# Altium PCB STM32MP25XXAK_LPDDR4.PcbDoc (part 3 of 6)
Units mm, origin at the board's own origin, x right, y up, seen from the top; angles counter-clockwise.
Board outline 120 x 79.6 mm, 4 copper layers (Top Layer, Signal Layer 1, Signal Layer 2, Bottom Layer), stack 1.614 mm thick; 190 components, 143 nets, 1208 pads, 757 vias.
Unrouted connection lines stored in the file: 3.
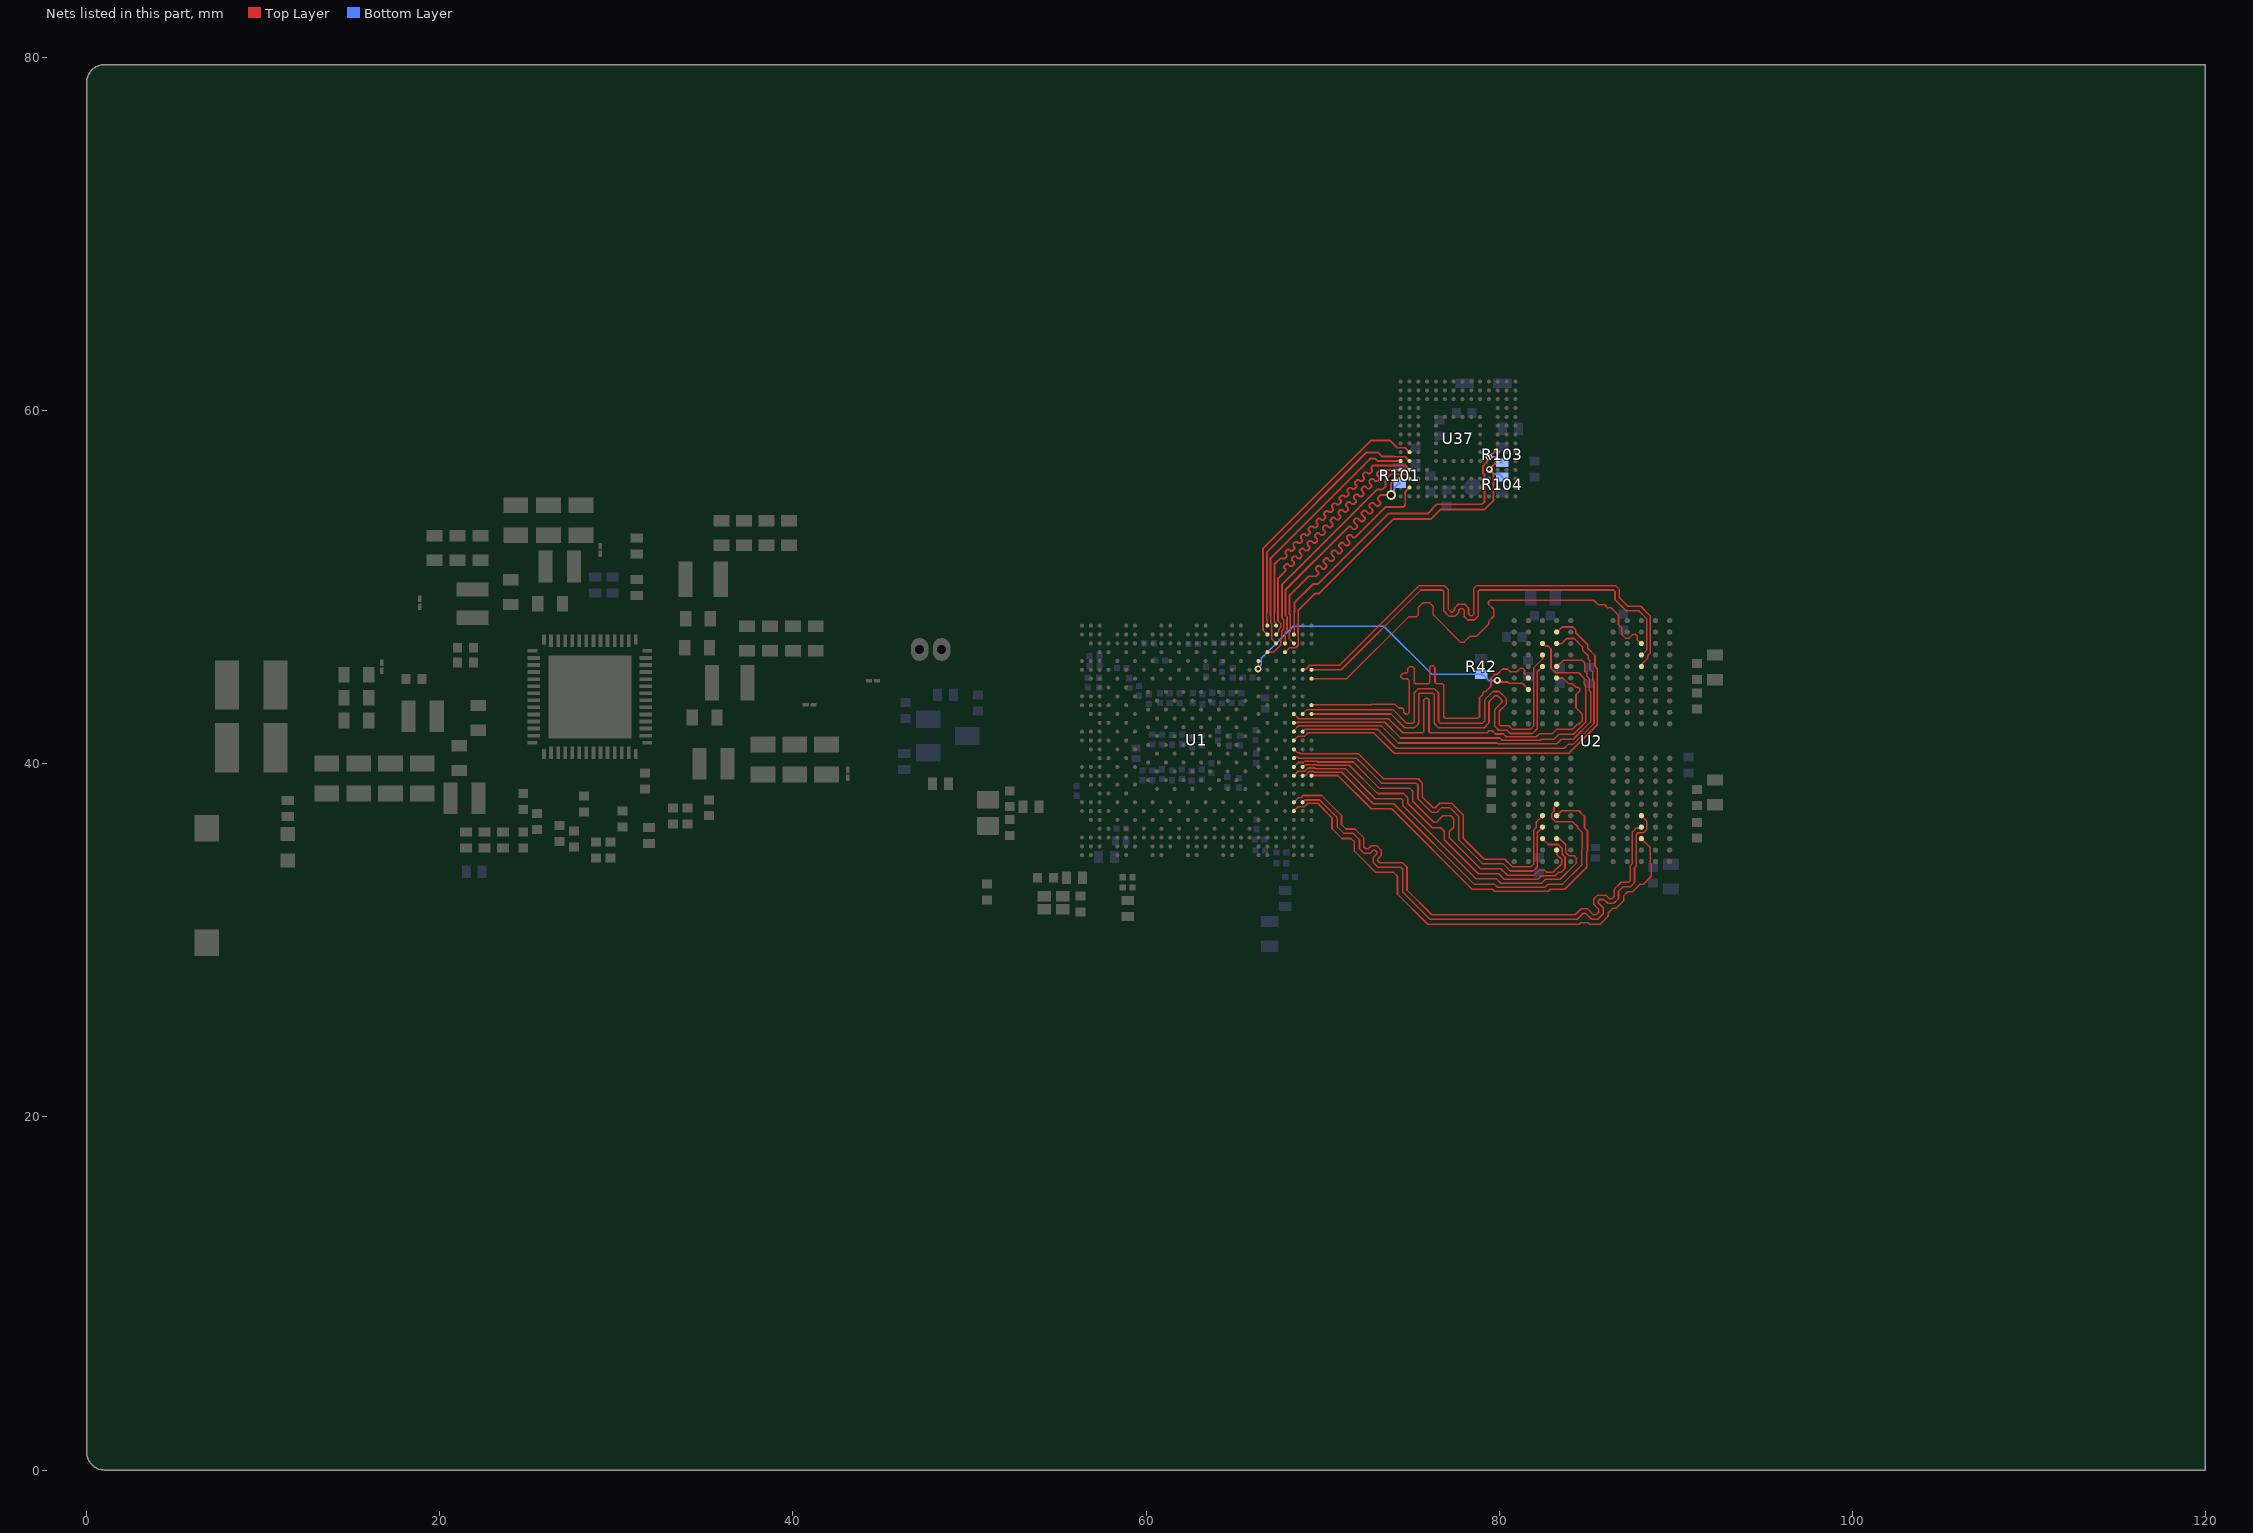
[diagram p5: the nets of this part, all layers, seen from the top]

## Via types
v1: diameter 0.55, hole 0.35, Top Layer to Bottom Layer, 277 vias
v2: diameter 0.4, hole 0.2, Top Layer to Bottom Layer, tented both sides, 229 vias
v3: diameter 0.5, hole 0.2, Top Layer to Bottom Layer, 146 vias
v4: diameter 0.4, hole 0.2, Top Layer to Bottom Layer, 105 vias

## Nets (pads, with @x,y where several pads share a name; then routed paths per layer and width w, separated by ;. In a path a pad name is that pad's centre, name@x,y a point inside that pad or via, vN(x,y) a via of type N, cw(c..) or ccw(c..) an arc to the next point about the centre after c; other vN are vias at no path point) (continued)
DDR_DQ11_B: U1.K27 U2.U11 | length 23.1
  Top Layer w0.09: U1.K27@69.377,43.329 69.388,43.34 72.76,43.34 72.785,43.365 74.106,43.365 74.305,43.166 74.514,43.166 74.604,43.076 74.604,42.916 74.709,42.81 74.817,42.81 74.903,42.896 74.903,44.715 74.801,44.817 74.539,44.817 74.441,44.915 74.441,45.021 74.554,45.134 74.755,45.134 74.835,45.214 74.835,45.415 74.929,45.509 75.106,45.509 75.194,45.421 75.194,44.6 75.259,44.535 75.994,44.535 76.065,44.606 76.065,45.473 76.145,45.553 76.244,45.553 76.369,45.428 76.369,44.616 76.438,44.546 76.788,44.546 76.86,44.474 76.86,42.666 76.937,42.59 78.805,42.59 78.89,42.675 78.89,43.739 79.072,43.921 79.072,44.007 79.16,44.095 79.246,44.095 79.543,44.392 79.543,44.861 79.756,45.074 ; 79.757,45.074 79.896,45.074 80.196,45.374 80.482,45.374 80.636,45.22 81.018,45.22 81.212,45.414 81.35,45.414 81.44,45.324 81.44,45.085 U2.U11@81.66,44.865
DDR_DQ12_A: U1.V26 U2.F9 | length 24
  Top Layer w0.09: U1.V26@68.875,39.325 68.889,39.339 69.035,39.339 69.271,39.575 69.479,39.575 69.525,39.529 71.083,39.529 72.872,37.74 74.033,37.74 78.583,33.19 78.607,33.19 79.737,33.19 79.918,33.01 82.602,33.01 82.782,33.19 83.598,33.19 84.671,34.263 84.671,35.154 84.72,35.203 84.72,36.094 84.451,36.363 84.451,36.43 84.168,36.713 83.209,36.713 82.975,36.947 82.975,37.183 83.112,37.32 83.112,37.567 U2.F9@83.26,37.715
DDR_DQ12_B: U1.L25 U2.U9 | length 24.7
  Top Layer w0.09: U1.L25@68.375,42.825 68.381,42.825 68.647,42.559 73.739,42.559 74.537,41.76 75.661,41.76 75.74,41.839 75.74,43.628 75.817,43.705 75.956,43.705 76.03,43.631 76.03,41.834 76.105,41.76 79.329,41.76 79.441,41.872 79.607,41.872 79.791,41.689 ; 79.792,41.689 80.248,41.689 80.408,41.529 82.109,41.529 82.275,41.695 83.003,41.695 83.277,41.969 84.169,41.969 84.445,42.244 84.517,42.244 84.719,42.446 84.719,42.814 84.355,43.178 84.355,43.916 84.569,44.13 84.569,44.254 84.476,44.347 84.354,44.347 84.352,44.349 84.336,44.349 84.145,44.54 83.927,44.54 83.602,44.865 U2.U9@83.26,44.865
DDR_DQ13_A: U1.V27 U2.E9 | length 23.7
  Top Layer w0.09: U1.V27@69.377,39.329 69.387,39.339 70.863,39.339 72.752,37.45 73.913,37.45 78.462,32.9 78.465,32.9 79.616,32.9 79.737,32.78 ; 79.738,32.78 82.782,32.78 82.902,32.9 83.718,32.9 84.961,34.143 84.961,35.027 85.01,35.075 85.01,36.214 84.839,36.385 84.839,37.024 84.513,37.35 83.545,37.35 U2.E9@83.26,37.065
DDR_DQ13_B: U1.N25 U2.V9 | length 23.2
  Top Layer w0.09: U1.N25@68.377,41.829 68.377,41.891 68.653,42.167 73.311,42.167 74.297,41.18 79.884,41.18 ; 79.886,41.18 79.921,41.144 83.272,41.144 83.517,41.389 84.204,41.389 85.184,42.369 85.184,44.071 85.1,44.155 85.1,44.832 84.977,44.955 84.977,45.126 84.854,45.249 84.854,45.713 84.698,45.869 83.648,45.869 83.273,45.494 U2.V9@83.259,45.494
DDR_DQ14_A: U1.V25 U2.C9 | length 21.7
  Top Layer w0.09: U1.V25@68.374,39.326 68.623,39.575 69.003,39.575 69.193,39.765 69.557,39.765 69.603,39.719 71.303,39.719 72.992,38.03 74.466,38.03 74.535,37.961 74.535,37.648 78.703,33.48 79.858,33.48 80.098,33.24 82.4,33.24 82.63,33.47 83.468,33.47 84.381,34.383 84.381,34.666 84.25,34.797 83.958,34.797 83.775,34.98 83.775,35.413 83.463,35.725 83.3,35.725 U2.C9@83.26,35.765
DDR_DQ14_B: U1.N26 U2.Y9 | length 24
  Top Layer w0.09: U1.N26@68.875,41.825 69.008,41.958 73.109,41.958 74.177,40.89 83.701,40.89 83.91,41.099 84.183,41.099 85.374,42.29 85.374,44.689 85.307,44.756 85.307,45.206 85.144,45.369 85.144,45.833 85.044,45.933 85.044,46.117 84.729,46.432 84.729,46.632 84.725,46.632 84.257,47.1 83.84,47.1 83.554,46.814 U2.Y9@83.26,46.815
DDR_DQ15_A: U1.U25 U2.B9 | length 20.8
  Top Layer w0.09: U1.U25@68.377,39.829 68.625,40.077 68.894,40.077 68.956,40.14 69.692,40.14 69.727,40.104 71.739,40.104 73.233,38.61 74.955,38.61 75.115,38.45 75.115,37.888 76.306,36.697 76.458,36.697 76.816,37.055 77.259,37.055 77.435,36.879 77.435,36.413 77.178,36.156 77.178,35.825 78.943,34.06 80.098,34.06 80.458,33.7 82.011,33.7 82.293,33.982 82.56,33.982 82.687,33.855 83.053,33.855 83.545,34.347 83.545,34.593 83.28,34.858 83.28,35.073 U2.B9@83.259,35.094
DDR_DQ15_B: U1.P25 U2.AA9 | length 25.7
  Top Layer w0.09: U1.P25@68.374,41.326 68.623,41.575 69.003,41.575 69.193,41.765 72.892,41.765 74.057,40.6 83.953,40.6 85.564,42.211 85.564,45.392 85.434,45.522 85.434,46.138 85.019,46.553 85.019,46.752 84.345,47.426 84.345,47.583 84.178,47.75 83.572,47.75 U2.AA9@83.266,47.444
DDR_DQMI0_A: U1.AB25 U2.C3 | length 28.3
  Top Layer w0.09: U1.AB25@68.375,37.325 68.375,37.336 68.614,37.575 68.979,37.575 69.169,37.765 69.722,37.765 70.535,36.952 70.535,36.336 71.1,35.771 71.617,35.771 71.806,35.582 71.806,35.066 72.238,34.633 73.02,33.851 74.022,33.851 74.246,33.627 74.246,32.625 75.961,30.91 84.543,30.91 84.628,30.995 85.037,30.995 85.122,30.91 85.714,30.91 86.19,31.386 86.19,31.567 86.434,31.811 86.615,31.811 87.053,32.249 87.053,32.512 87.295,32.754 87.558,32.754 87.975,33.171 88.159,33.171 88.619,33.632 88.619,34.303 88.559,34.363 88.559,35.266 U2.C3@88.06,35.765
DDR_DQMI0_B: U1.G27 U2.Y3 | length 25.8
  Top Layer w0.09: U1.G27@69.377,44.829 71.378,44.829 74.874,48.324 75.323,48.324 75.41,48.412 75.41,48.838 75.708,49.136 76.043,49.136 76.279,48.9 76.279,48.426 77.807,46.898 78.017,46.898 78.346,47.228 78.721,47.228 79.403,47.911 79.403,48.068 79.693,48.358 ; 79.694,48.358 79.694,48.761 79.398,49.057 79.398,49.19 79.478,49.27 85.368,49.27 ; 85.369,49.27 85.63,49.009 85.981,49.009 86.156,48.834 86.353,48.834 86.764,48.423 86.764,47.889 86.952,47.701 86.952,47.333 87.16,47.126 87.365,47.126 87.587,47.347 87.719,47.347 87.815,47.251 87.815,47.033 88.034,46.815 U2.Y3@88.06,46.815
DDR_DQMI1_A: U1.U26 U2.C10 | length 20.8
  Top Layer w0.09: U1.U26@68.875,39.825 68.91,39.825 69.038,39.953 69.624,39.953 69.663,39.914 71.519,39.914 73.113,38.32 74.586,38.32 74.825,38.081 74.825,37.768 76.209,36.384 76.689,36.384 76.888,36.185 76.888,35.705 78.823,33.77 79.978,33.77 80.278,33.47 82.204,33.47 82.394,33.66 83.161,33.66 83.351,33.85 83.492,33.85 83.735,34.093 83.735,34.722 83.584,34.873 83.584,35.194 83.347,35.431 82.794,35.431 U2.C10@82.46,35.765
DDR_DQMI1_B: U1.M25 U2.Y10 | length 23.7
  Top Layer w0.09: U1.M25@68.375,42.325 68.378,42.328 68.545,42.328 68.571,42.353 73.528,42.353 74.414,41.467 80.047,41.467 80.177,41.336 82.326,41.336 82.392,41.402 83.12,41.402 83.394,41.676 84.218,41.676 84.906,42.364 84.906,44.41 84.824,44.492 84.824,44.837 84.505,45.156 83.205,45.156 82.941,45.42 82.941,46.51 82.778,46.673 82.618,46.673 82.479,46.812 U2.Y10@82.463,46.812
DDR_DQS0_A_N: U1.AA26 U2.E3 | length 30.5
  Top Layer w0.09: U1.AA26@68.875,37.825 68.875,37.832 68.998,37.955 69.843,37.955 70.825,36.973 70.825,36.456 71.22,36.061 71.737,36.061 72.096,35.702 72.096,35.186 72.346,34.935 72.695,34.935 72.863,35.104 72.982,35.104 73.066,35.02 73.066,34.896 72.882,34.712 72.882,34.399 73.14,34.141 74.43,34.141 74.536,34.036 74.536,32.746 76.081,31.2 84.422,31.2 84.764,31.542 84.9,31.542 85.242,31.2 85.594,31.2 85.9,31.506 85.9,31.852 85.613,32.139 85.613,32.242 85.688,32.318 85.933,32.318 86.149,32.101 86.495,32.101 86.763,32.369 86.763,32.785 87.022,33.044 87.438,33.044 87.671,33.277 87.671,34.119 87.764,34.212 87.764,35.978 87.885,36.099 88.181,36.099 88.354,36.272 88.354,36.771 U2.E3@88.06,37.065
DDR_DQS0_A_P: U1.AA25 U2.D3 | length 29.9
  Top Layer w0.09: U1.AA25@68.375,37.825 68.62,38.07 68.76,38.07 68.894,38.205 69.947,38.205 71.075,37.077 71.075,36.56 71.324,36.311 71.841,36.311 72.346,35.806 72.346,35.289 72.449,35.185 72.591,35.185 72.76,35.354 73.086,35.354 73.316,35.124 73.316,34.792 73.132,34.608 73.132,34.503 73.243,34.391 74.534,34.391 74.786,34.139 74.786,32.849 76.185,31.45 84.319,31.45 84.66,31.792 85.004,31.792 85.345,31.45 85.49,31.45 85.65,31.609 85.65,31.748 85.363,32.035 85.363,32.346 85.584,32.568 86.037,32.568 86.253,32.351 86.392,32.351 86.513,32.473 86.513,32.888 86.919,33.294 87.334,33.294 87.421,33.381 87.421,34.223 87.554,34.356 87.554,36.145 87.758,36.349 87.937,36.349 88.003,36.415 U2.D3@88.06,36.415
DDR_DQS0_B_N: U1.F26 U2.V3 | length 29.3
  Top Layer w0.09: U1.F26@68.877,45.329 68.904,45.356 69.05,45.356 69.273,45.579 70.955,45.579 75.475,50.1 76.893,50.1 77.109,49.883 77.109,48.77 77.278,48.602 77.383,48.602 77.477,48.696 77.477,48.829 77.692,49.044 78.052,49.044 78.269,48.827 78.269,48.469 78.34,48.398 78.492,48.398 78.559,48.465 78.559,49.937 78.722,50.1 86.587,50.1 86.816,49.872 86.816,49.404 87.299,48.92 88.022,48.92 88.564,48.378 88.564,46.284 88.414,46.134 88.414,45.997 88.093,45.676 88.093,45.528 U2.V3@88.059,45.494
DDR_DQS0_B_P: U1.F27 U2.W3 | length 27.5
  Top Layer w0.09: U1.F27@69.377,45.329 71.058,45.329 75.579,49.85 76.789,49.85 ; 76.795,49.843 76.859,49.78 76.859,48.667 77.174,48.352 77.487,48.352 77.727,48.592 77.727,48.726 77.795,48.794 77.949,48.794 78.019,48.724 78.019,48.366 78.236,48.148 78.595,48.148 78.809,48.362 78.809,49.777 78.882,49.85 86.484,49.85 86.566,49.768 86.566,49.3 87.196,48.67 87.918,48.67 88.354,48.234 88.354,46.427 88.071,46.144 U2.W3@88.059,46.144
DDR_DQS1_A_N: U1.R25 U2.E10 | length 20.8
  Top Layer w0.09: U1.R25@68.375,40.825 68.392,40.825 68.584,40.633 68.713,40.633 68.771,40.575 72.031,40.575 73.456,39.15 75.427,39.15 75.655,38.922 75.655,38.127 76.271,37.511 76.377,37.511 76.638,37.772 77.306,37.772 77.975,37.103 77.975,35.792 79.167,34.6 80.32,34.6 ; 80.321,34.601 80.742,34.18 81.812,34.18 81.954,34.322 81.954,36.243 82.104,36.393 82.104,36.709 U2.E10@82.46,37.065
DDR_DQS1_A_P: U1.T25 U2.D10 | length 20.4
  Top Layer w0.09: U1.T25@68.375,40.325 68.413,40.325 68.471,40.383 68.61,40.383 68.668,40.325 71.928,40.325 73.28,38.973 73.353,38.9 75.323,38.9 75.405,38.818 75.405,38.024 76.168,37.261 76.481,37.261 76.742,37.522 77.202,37.522 77.725,36.999 77.725,35.689 79.063,34.35 80.217,34.35 ; 80.218,34.351 80.638,33.93 81.916,33.93 82.164,34.178 82.164,36.099 U2.D10@82.459,36.394
DDR_DQS1_B_N: U1.L27 U2.V10 | length 24.1
  Top Layer w0.09: U1.L27@69.377,42.825 73.816,42.825 ; 73.827,42.825 73.883,42.825 74.658,42.05 75.208,42.05 75.443,42.285 75.443,43.927 75.511,43.995 76.251,43.995 76.32,43.926 76.32,42.298 76.569,42.05 79.156,42.05 79.43,42.324 79.43,43.515 79.765,43.85 ; 79.766,43.85 79.912,43.85 80.167,43.596 80.167,43.491 79.764,43.088 79.764,42.127 79.984,41.907 80.447,41.907 80.633,41.72 81.89,41.72 82.164,41.994 82.164,45.219 U2.V10@82.46,45.515
DDR_DQS1_B_P: U1.L26 U2.W10 | length 25.1
  Top Layer w0.09: U1.L26@68.877,42.829 68.879,42.829 69.125,43.075 73.986,43.075 74.761,42.3 75.105,42.3 75.193,42.388 75.193,44.031 75.407,44.245 76.355,44.245 76.57,44.03 76.57,42.402 76.672,42.3 79.052,42.3 79.18,42.427 79.18,43.618 79.662,44.1 ; 79.663,44.1 80.016,44.1 80.417,43.699 80.417,43.387 80.014,42.984 80.014,42.23 80.088,42.157 80.55,42.157 80.737,41.97 81.786,41.97 81.954,42.138 81.954,45.427 82.464,45.937 82.464,46.161 U2.W10@82.46,46.165
DDR_RESETN: R42.2 U1.E21 U2.T11 | length 18.5
  Top Layer w0.09: v2(66.35,45.375) 66.369,45.394 U1.E21@66.369,45.819 ; v4@79.881,44.707 79.994,44.707 80.065,44.636 80.492,44.636 80.562,44.565 81.31,44.565 U2.T11@81.66,44.215
  Bottom Layer w0.09: v2@66.35,45.35 v2@66.35,45.434 ; v2@66.351,45.429 66.53,45.608 66.53,45.984 66.732,46.186 66.738,46.186 68.347,47.795 73.474,47.795 76.199,45.069 79.066,45.069 79.415,44.719 v4@79.895,44.719
  other v4: 79.895,44.725
eMMC.SDMMC2_CK: R103.1 U1.B25 U37.M6 | length 19.1
  Top Layer w0.09: U1.B25@68.375,47.325 68.402,47.352 68.402,48.575 ; 79.175,55.037 79.175,55.273 ; 79.175,55.537 79.175,55.773 ; 79.175,56.037 79.175,56.273
  Top Layer w0.11: 68.402,48.575 68.402,49.127 69.459,50.184 69.734,50.184 73.725,54.175 75.95,54.175 76.481,54.706 79.022,54.706 79.175,54.858 79.175,55.037 ; 79.175,55.273 79.175,55.405 ; 79.175,55.407 79.175,55.537 ; 79.175,55.773 79.175,55.905 ; 79.175,55.907 79.175,56.037 ; 79.175,56.273 79.175,56.372 79.095,56.452 79.095,56.87 79.281,57.056 v2(79.425,57.375) 79.705,57.655 U37.M6@79.925,57.655
  Bottom Layer w0.11: v2(79.425,57.375) 79.762,57.375 80.076,57.061 R103.1@80.171,57.061
eMMC.SDMMC2_CMD: R104.1 U1.D24 U37.M5 | length 20
  Top Layer w0.09: U1.D24@67.875,46.325 68.125,46.575 68.479,46.575 68.625,46.721 68.625,47.429 68.615,47.439 68.615,47.453 ; 79.675,55.037 79.675,55.273 ; 79.675,55.537 79.675,55.773 ; 79.675,56.037 79.675,56.273
  Top Layer w0.11: 68.616,47.451 68.615,47.453 68.615,47.933 68.625,47.943 68.625,48.699 69.588,49.662 69.816,49.662 74.029,53.875 76.15,53.875 76.674,54.399 79.162,54.399 79.675,54.911 79.675,55.037 ; 79.675,55.273 79.675,55.405 ; 79.675,55.407 79.675,55.537 ; 79.675,55.773 79.675,55.905 ; 79.675,55.907 79.675,56.037 ; 79.675,56.273 79.675,56.46 v2(79.45,56.685) U37.M5@79.92,57.155
  Bottom Layer w0.11: v2(79.45,56.685) 79.724,56.411 80.019,56.411 R104.1@80.175,56.255
eMMC.SDMMC2_D0: R101.1 U1.C24 U37.A3 | length 16
  Top Layer w0.09: U1.C24@67.875,46.825 67.88,46.83 67.88,47.467 67.985,47.572 67.985,48.335 67.902,48.418 67.902,48.575
  Top Layer w0.11: 67.902,48.575 67.902,49.85 71.229,53.177 71.487,53.435 71.597,53.435 71.743,53.289 71.852,53.289 71.962,53.399 71.962,53.508 71.778,53.692 71.778,53.801 71.888,53.911 71.998,53.911 72.181,53.727 72.291,53.727 72.4,53.837 72.4,53.947 72.217,54.13 72.217,54.24 72.326,54.349 72.436,54.349 72.62,54.166 72.729,54.166 72.839,54.275 72.839,54.385 72.655,54.569 72.655,54.678 72.765,54.788 72.874,54.788 73.058,54.604 73.168,54.604 73.277,54.714 73.277,54.823 73.131,54.969 73.131,55.079 73.279,55.227 v1(73.884,55.227) 73.884,55.909 74.13,56.155 U37.A3@74.425,56.155
  Bottom Layer w0.11: v1(73.884,55.227) 73.884,55.34 74.056,55.512 74.056,55.556 74.08,55.58 74.08,55.675 74.28,55.875 R101.1@74.375,55.875
eMMC.SDMMC2_D1: U1.B23 U37.A4 | length 18.8
  Top Layer w0.09: U1.B23@67.375,47.325 67.375,47.357 67.52,47.502 67.52,47.616 67.625,47.721 67.625,47.952 67.479,48.098 67.479,48.575
  Top Layer w0.11: 67.479,48.575 67.479,50.504 67.856,50.881 67.895,50.92 67.895,51.03 67.824,51.101 67.824,51.21 67.934,51.32 68.044,51.32 68.165,51.199 68.274,51.199 68.384,51.308 68.384,51.418 68.263,51.539 68.263,51.649 68.372,51.758 68.482,51.758 68.603,51.637 68.713,51.637 68.822,51.747 68.822,51.856 68.701,51.977 68.701,52.087 68.811,52.197 68.92,52.197 69.042,52.075 69.151,52.075 69.261,52.185 69.261,52.295 69.14,52.416 69.14,52.525 69.249,52.635 69.359,52.635 69.48,52.514 69.59,52.514 69.699,52.623 69.699,52.733 69.578,52.854 69.578,52.964 69.688,53.073 69.797,53.073 69.918,52.952 70.028,52.952 70.138,53.062 70.138,53.171 70.016,53.293 70.016,53.402 70.126,53.512 70.236,53.512 70.357,53.391 70.466,53.391 70.576,53.5 70.576,53.61 70.455,53.731 70.455,53.841 70.564,53.95 70.674,53.95 70.795,53.829 70.905,53.829 71.014,53.939 71.014,54.048 70.893,54.169 70.893,54.279 71.003,54.389 71.112,54.389 71.234,54.267 71.343,54.267 71.453,54.377 71.453,54.487 71.332,54.608 71.332,54.718 71.441,54.827 71.551,54.827 71.672,54.706 71.782,54.706 71.891,54.815 71.891,54.925 71.77,55.046 71.77,55.156 71.88,55.266 71.989,55.266 72.11,55.144 72.22,55.144 72.33,55.254 72.33,55.363 72.208,55.485 72.208,55.594 72.318,55.704 72.428,55.704 72.549,55.583 72.658,55.583 72.768,55.692 72.768,55.802 72.647,55.923 72.647,56.033 72.756,56.142 72.866,56.142 72.987,56.021 73.097,56.021 73.206,56.131 73.206,56.24 73.085,56.362 73.085,56.471 73.195,56.581 73.304,56.581 73.375,56.51 73.485,56.51 73.536,56.561 73.63,56.655 U37.A4@74.425,56.655
eMMC.SDMMC2_D2: U1.C23 U37.A5 | length 14.7
  Top Layer w0.09: 67.055,48.395 67.055,47.999 67.125,47.929 67.125,47.075 U1.C23@67.375,46.825
  Top Layer w0.11: 67.054,48.395 67.057,48.398 67.057,51.657 72.691,57.291 72.984,57.291 73.12,57.155 74.056,57.155 U37.A5@74.425,57.155
eMMC.SDMMC2_D3: U1.C25 U37.B2 | length 15.5
  Top Layer w0.09: 68.125,48.575 68.125,48.489 68.165,48.449 68.165,47.498 68.125,47.458 68.125,47.075 U1.C25@68.375,46.825 ; 74.675,54.705 74.675,55.273
  Top Layer w0.11: 68.125,48.575 68.125,49.525 69.225,50.625 69.647,50.625 69.723,50.702 69.762,50.741 69.762,50.85 69.621,50.991 69.621,51.101 69.731,51.211 69.84,51.211 70.004,51.046 70.114,51.046 70.224,51.156 70.224,51.266 70.059,51.43 70.059,51.539 70.169,51.649 70.279,51.649 70.443,51.485 70.552,51.485 70.662,51.594 70.662,51.704 70.498,51.868 70.498,51.978 70.607,52.087 70.717,52.087 70.881,51.923 70.991,51.923 71.1,52.033 71.1,52.142 70.936,52.307 70.936,52.416 71.046,52.526 71.155,52.526 71.32,52.362 71.429,52.362 71.539,52.471 71.539,52.581 71.375,52.745 71.375,52.855 71.484,52.964 71.594,52.964 71.735,52.823 71.845,52.823 71.887,52.865 73.582,54.56 74.596,54.56 74.675,54.639 74.675,54.705 ; 74.675,55.273 74.675,55.405 U37.B2@74.925,55.655
eMMC.SDMMC2_D4: U1.D22 U37.B3 | length 14.7
  Top Layer w0.09: U1.D22@66.902,46.352 U1.D22@66.875,46.325 67.229,46.325 67.625,46.721 67.625,47.075 67.7,47.15 67.7,47.541 67.805,47.647 67.805,48.17 67.7,48.275 ; 74.056,56.405 74.543,56.405
  Top Layer w0.11: 67.7,48.275 67.692,48.283 67.692,50.142 73.1,55.55 73.4,55.55 73.575,55.725 73.575,56.125 73.855,56.405 74.056,56.405 ; 74.543,56.405 74.675,56.405 U37.B3@74.925,56.155
eMMC.SDMMC2_D5: U1.A23 U37.B4 | length 17.3
  Top Layer w0.09: 67.267,48.575 67.267,48.055 67.349,47.973 67.349,47.851 U1.A23@67.375,47.825 ; 74.056,56.905 74.543,56.905
  Top Layer w0.11: 67.267,48.575 67.267,51.292 67.362,51.387 67.621,51.646 67.73,51.646 67.75,51.625 67.86,51.625 67.97,51.735 67.97,51.845 67.901,51.913 67.901,52.022 68.011,52.132 68.121,52.132 68.189,52.064 68.298,52.064 68.408,52.173 68.408,52.283 68.34,52.351 68.34,52.461 68.449,52.57 68.559,52.57 68.627,52.502 68.737,52.502 68.846,52.612 68.846,52.721 68.778,52.79 68.778,52.899 68.888,53.009 68.997,53.009 69.066,52.941 69.175,52.941 69.285,53.05 69.285,53.16 69.217,53.228 69.217,53.338 69.326,53.447 69.436,53.447 69.504,53.379 69.614,53.379 69.723,53.489 69.723,53.598 69.655,53.666 69.655,53.776 69.765,53.886 69.874,53.886 69.942,53.817 70.052,53.817 70.162,53.927 70.162,54.037 70.093,54.105 70.093,54.214 70.203,54.324 70.313,54.324 70.381,54.256 70.49,54.256 70.6,54.365 70.6,54.475 70.532,54.543 70.532,54.653 70.641,54.762 70.751,54.762 70.819,54.694 70.929,54.694 71.038,54.804 71.038,54.913 70.97,54.982 70.97,55.091 71.08,55.201 71.189,55.201 71.258,55.133 71.367,55.133 71.477,55.242 71.477,55.352 71.409,55.42 71.409,55.53 71.518,55.639 71.628,55.639 71.696,55.571 71.806,55.571 71.915,55.681 71.915,55.79 71.847,55.858 71.847,55.968 71.957,56.078 72.066,56.078 72.134,56.01 72.244,56.01 72.354,56.119 72.354,56.229 72.285,56.297 72.285,56.406 72.395,56.516 72.505,56.516 72.573,56.448 72.682,56.448 72.792,56.558 72.792,56.667 72.772,56.687 72.772,56.797 72.88,56.905 72.912,56.905 74.056,56.905 ; 74.543,56.905 74.675,56.905 U37.B4@74.925,56.655
eMMC.SDMMC2_D6: U1.A22 U37.B5 | length 14.8
  Top Layer w0.09: 66.847,48.356 66.847,48.176 66.875,48.148 U1.A22@66.875,47.825 ; 74.056,57.405 74.675,57.405
  Top Layer w0.096: 66.847,48.356 66.847,48.575
  Top Layer w0.11: 66.847,48.575 66.847,51.997 72.49,57.64 73.14,57.64 73.375,57.405 74.056,57.405 ; 74.675,57.405 U37.B5@74.925,57.155
eMMC.SDMMC2_D7: U1.B22 U37.B6 | length 16.1
  Top Layer w0.09: 66.625,48.575 66.625,47.575 U1.B22@66.875,47.325 ; 74.307,57.905 74.543,57.905
  Top Layer w0.11: 66.625,48.575 66.625,52.197 72.738,58.31 73.836,58.31 74.241,57.905 74.307,57.905 ; 74.543,57.905 74.675,57.905 U37.B6@74.925,57.655